# KiCad board V5_main.kicad_pcb
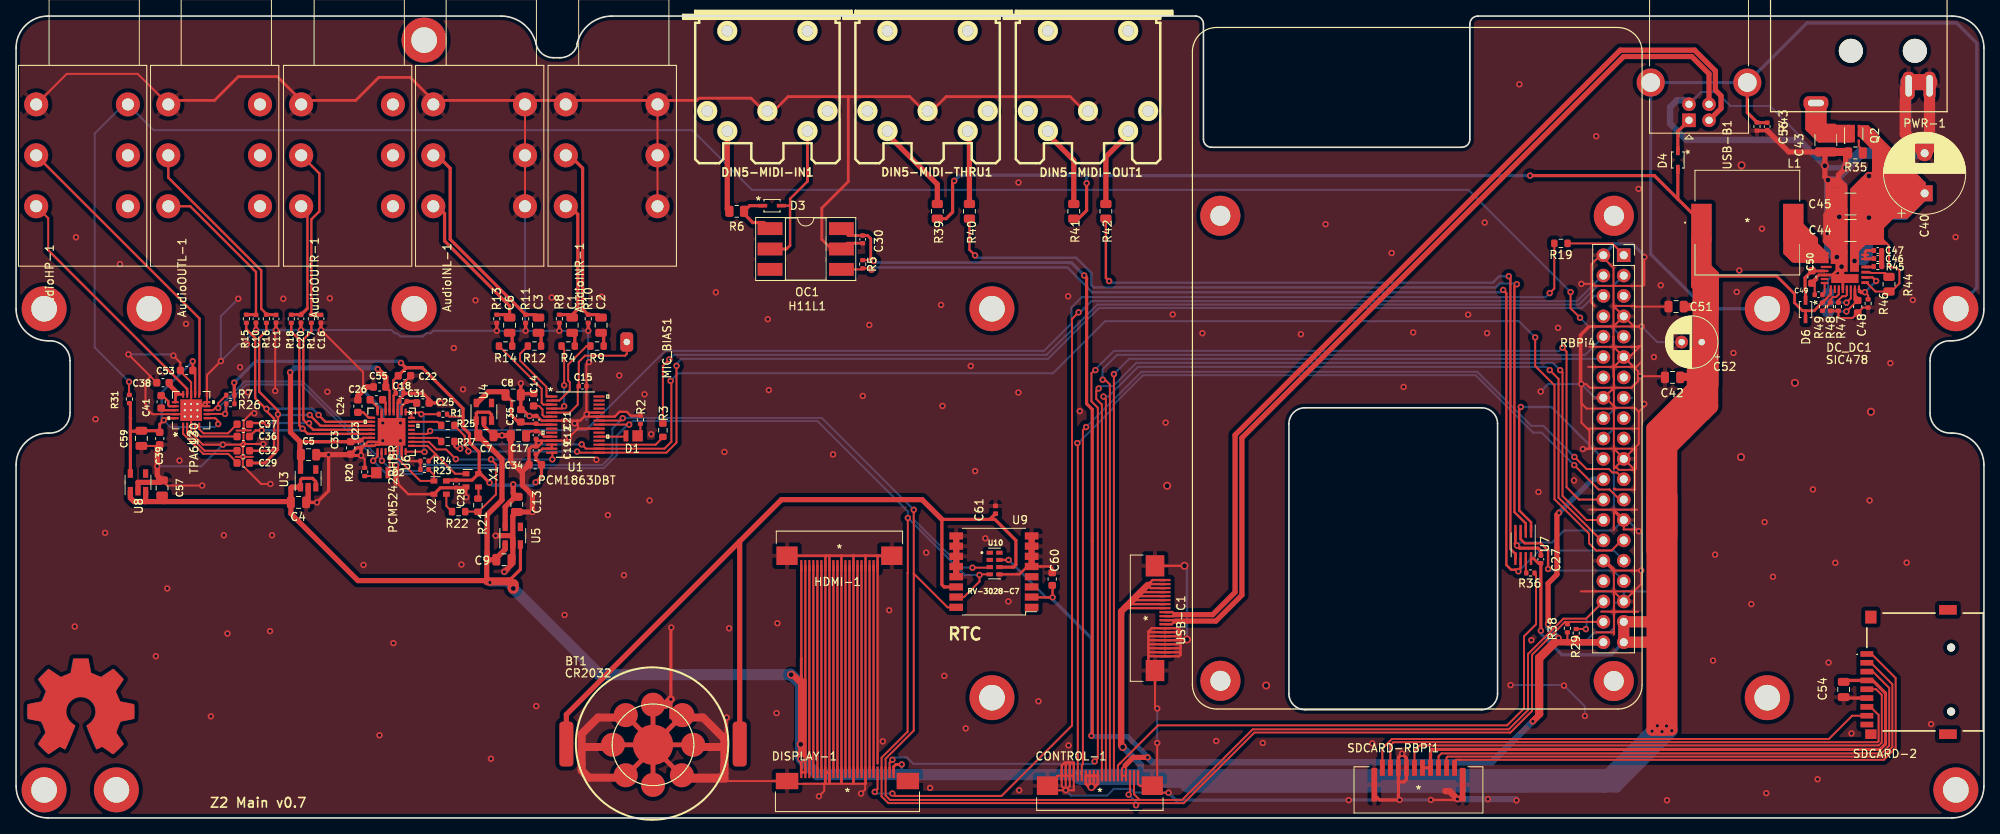
[diagram p0: board, top side]
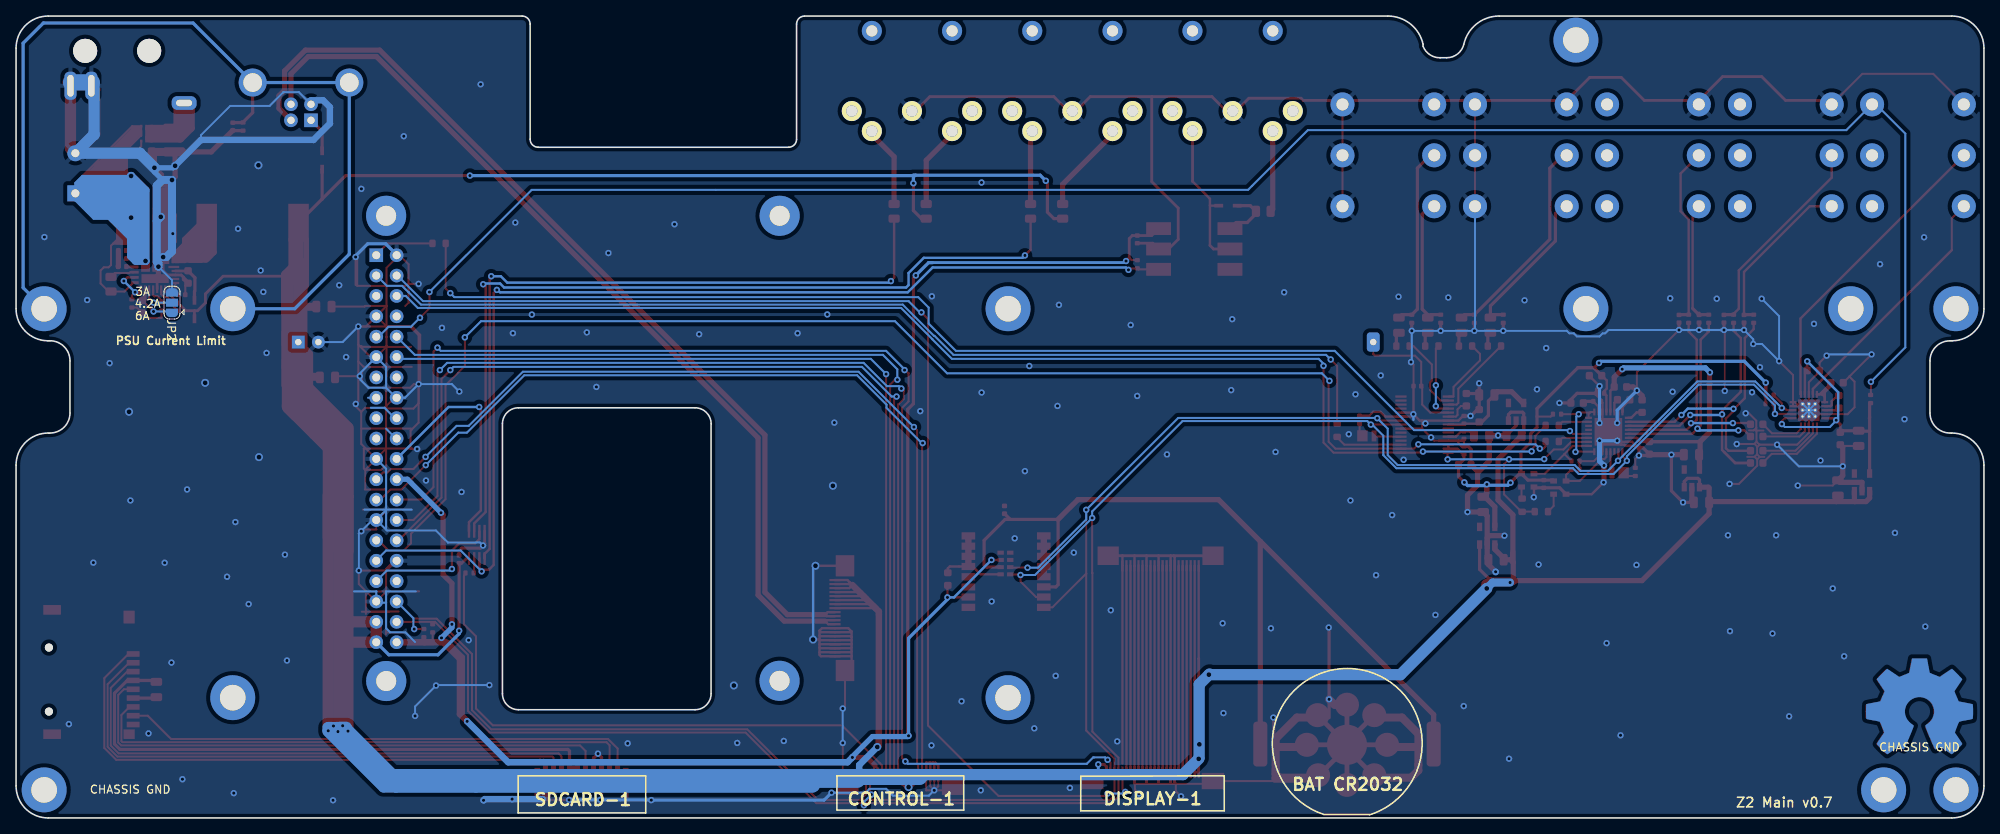
[diagram p1: board, bottom side, seen from below]

Outline 245.21 x 100 mm; copper layers: Top, Bottom. Coordinates in mm from the lower left corner of the outline.
Outline path: 0,96 arc(1.17,98.83) 4,100 60.41,100 arc(63.22,99.02) 64.8,96.51 arc(65.58,95.28) 66.95,94.8 67.74,94.8 arc(69.05,95.18) 69.89,96.23 69.89,96.5 arc(71.47,99.02) 74.27,100 146.95,100 arc(147.66,99.71) 147.95,99 147.95,84.64 arc(148.24,83.93) 148.95,83.64 180.15,83.64 arc(180.86,83.93) 181.15,84.64 181.15,99 arc(181.44,99.71) 182.15,100 241.21,100 arc(244.03,98.83) 245.21,96 245.21,63.5 arc(244.03,60.67) 241.21,59.5 240.99,59.51 arc(239.21,58.77) 238.49,57 238.49,50.5 arc(239.22,48.73) 240.99,48 241.21,48 arc(244.03,46.83) 245.21,44 245.21,4 arc(244.03,1.17) 241.21,0 4,0 arc(1.17,1.17) 0,4 0,44 arc(1.17,46.83) 4,48 4.23,48 arc(5.99,48.73) 6.73,50.5 6.73,57 arc(5.99,58.77) 4.23,59.5 4,59.5 arc(1.17,60.67) 0,63.5 0,96 ; 158.6,49.15 arc(159.19,50.56) 160.6,51.15 182.6,51.15 arc(184.01,50.56) 184.6,49.15 184.6,15.5 arc(184.01,14.09) 182.6,13.5 160.6,13.5 arc(159.19,14.09) 158.6,15.5 158.6,49.15
Stack: Top 0.035mm / dielectric 1.91mm FR4 er 4.5 / Bottom 0.035mm

## Placement (name value [footprint] x y rotation side)
AudioHP-1  AudioJack3_Switch  [Jack_6.35mm_Neutrik_NRJ6HM-1_Horizontal]  2.51 76.28 90 top
AudioINL-1  AudioJack3_Switch  [Jack_6.35mm_Neutrik_NRJ6HM-1_Horizontal]  51.99 76.28 90 top
AudioINR-1  AudioJack3_Switch  [Jack_6.35mm_Neutrik_NRJ6HM-1_Horizontal]  68.5 76.28 90 top
AudioOUTL-1  AudioJack3_Switch  [Jack_6.35mm_Neutrik_NRJ6HM-1_Horizontal]  18.97 76.28 90 top
AudioOUTR-1  AudioJack3_Switch  [Jack_6.35mm_Neutrik_NRJ6HM-1_Horizontal]  35.53 76.28 90 top
BT1  Battery_Cell  [AdamTech_BH-67B-5]  79.37 9.22 0 top
C1  10uf16v  [C_0805_2012Metric]  69.3 61.45 90 top
C2  10uf16v  [C_0805_2012Metric]  72.89 61.45 90 top
C3  10uf16v  [C_0805_2012Metric]  65.1 61.45 90 top
C4  10uf16v  [C_0805_2012Metric]  35.2 39.35 0 top
C5  10uf16v  [C_0805_2012Metric]  36.45 45.3 0 top
C6  10uf16v  [C_0805_2012Metric]  61.49 61.45 90 top
C7  10uf16v  [C_0805_2012Metric]  58.55 47.7 0 top
C8  10uf16v  [C_0805_2012Metric]  61.95 52.75 0 top
C9  10uf16v  [C_0805_2012Metric]  60.8 32.2 0 top
C10  2,2nf50v  [C_0402_1005Metric]  29.89 62.25 270 top
C11  2,2nf50v  [C_0402_1005Metric]  32.39 62.25 270 top
C12  100nf25v  [C_0402_1005Metric]  64.8 47.75 270 top
C13  10uf16v  [C_0805_2012Metric]  62.39 39.1 270 top
C14  1uf16v  [C_0603_1608Metric]  64.49 52.15 270 top
C15  100nf25v  [C_0402_1005Metric]  70.6 53.85 180 top
C16  2,2nf50v  [C_0402_1005Metric]  38 62.25 270 top
C17  10uf16v  [C_0805_2012Metric]  62.6 47.65 180 top
C18  100nf25v  [C_0402_1005Metric]  47.8 52.95 180 top
C19  100nf25v  [C_0402_1005Metric]  64.8 45.85 90 top
C20  2,2nf50v  [C_0402_1005Metric]  35.5 62.25 270 top
C21  100nf25v  [C_0402_1005Metric]  64.8 49.65 90 top
C22  1uf16v  [C_0603_1608Metric]  48.39 55.15 180 top
C23  100nf25v  [C_0402_1005Metric]  43 46.65 270 top
C24  1uf16v  [C_0603_1608Metric]  42.59 51.35 270 top
C25  1uf16v  [C_0603_1608Metric]  50.7 51.75 180 top
C26  1uf16v  [C_0603_1608Metric]  44.89 52.15 0 top
C27  100nf25v  [C_0402_1005Metric]  190 32.25 90 top
C28  100nf25v  [C_0402_1005Metric]  54.84 41.65 270 top
C29  470nF 16v  [C_0603_1608Metric]  28.31 44.27 180 top
C30  100nf25v  [C_0402_1005Metric]  105.49 72.15 270 top
C31  100nf25v  [C_0402_1005Metric]  48.2 51.95 0 top
C32  470nF 16v  [C_0603_1608Metric]  28.31 45.79 180 top
C33  1uf16v  [C_0603_1608Metric]  41.7 46.15 90 top
C34  1uf16v  [C_0603_1608Metric]  64.7 44.05 180 top
C35  1uf16v  [C_0603_1608Metric]  62.89 50.15 90 top
C36  470nF 16v  [C_0603_1608Metric]  28.31 47.57 180 top
C37  470nF 16v  [C_0603_1608Metric]  28.31 49.09 180 top
C38  1uf 16v  [C_0603_1608Metric]  18.31 54.28 0 top
C39  1uf 16v  [C_0603_1608Metric]  17.9 47.32 90 top
C40  120uf63v  [CP_Radial_D10.0mm_P5.00mm]  237.81 77.89 90 top
C41  1uf 16v  [C_0603_1608Metric]  18.08 51.89 90 top
C42  560uf10v  [CP_Radial_D6.3mm_P2.50mm_Higher]  210.04 59.34 180 top
C43  10uf 75v  [C_1210_3225Metric]  225.5 84.53 270 top
C44  10uf 75v  [C_1210_3225Metric]  228.57 73.26 180 top
C45  10uf 75v  [C_1210_3225Metric]  228.57 76.56 180 top
C46  47nf16v  [C_0402_1005Metric]  231.97 69.76 0 top
C47  47nf16v  [C_0402_1005Metric]  231.97 70.76 0 top
C48  1uf16v  [C_0603_1608Metric]  229.47 63.76 90 top
C49  47nf16v  [C_0402_1005Metric]  224.6 65.25 0 top
C50  1uf16v  [C_0603_1608Metric]  223.77 67.46 270 top
C51  10uf16v  [C_0805_2012Metric]  206.85 63.77 180 top
C52  10uf16v  [C_0805_2012Metric]  206.41 54.94 180 top
C53  1uf 16v  [C_0603_1608Metric]  21.25 55.8 0 top
C54  10uf16v  [C_0805_2012Metric]  227.73 16.02 270 top
C55  1uf16v  [C_0603_1608Metric]  45.3 53.75 180 top
C56  100nf25v  [C_0402_1005Metric]  218.19 86.22 90 top
C57  10uf16v  [C_0805_2012Metric]  18.2 41.15 90 top
C59  10uf16v  [C_0805_2012Metric]  15.61 47.34 270 top
C60  1uf16v  [C_0603_1608Metric]  129.11 29.79 270 top
C61  100nf25v  [C_0402_1005Metric]  122.04 38.43 270 top
CONTROL-1  Conn_01x22  [SFV20R-4STE1LF_thinpads]  135.05 3.17 180 top
D1  LED  [led_0806]  76.8 47.65 0 top
D2  LED  [led_0806]  45.55 43.05 180 top
D3  -  [CUS10S30]  94.2 76.35 0 top
D4  -  [CUS10S30]  207.06 82.05 270 top
D6  -  [CUS10S30]  222.98 63.4 270 top
DC_DC1  SIC478  [sic479_smallpads]  227.87 68.46 180 top
DIN5-MIDI-IN1  DIN-5_180degree  [MIDI_DIN5]  93.62 91.15 180 top
DIN5-MIDI-OUT1  DIN-5_180degree  [MIDI_DIN5]  133.57 91.15 180 top
DIN5-MIDI-THRU1  DIN-5_180degree  [MIDI_DIN5]  113.58 91.15 180 top
DISPLAY-1  Conn_display  [SFV24R-4STE1HLF_smallpads]  103.6 3.17 0 top
G***  LOGO  [Zynthian Logo Mask]  27.43 5.36 0 top
G***#2  LOGO  [Zynthian Logo Mask]  27.35 5.25 180 bottom
HDMI-1  con_hdmi  [SFV20R-4STE1LF_thinpads]  102.6 33.55 0 top
JP2  Jumper_NC_Dual  [SolderJumper-3_P1.3mm_Open_RoundedPad1.0x1.5mm]  225.77 64.26 90 bottom
L1  10uh  [PA4343.103NLT]  215.73 74.24 0 top
MIC_BIAS1  Conn_01x01  [CON1]  76.1 59.35 90 top
OC1  H11L1  [DIP-6_W8.89mm_SMDSocket_LongPads]  98.39 70.95 0 top
PWR-1  Barrel_Jack_Switch_Pin3Ring  [LRJ_Series_Power_Connector]  218.61 104.07 0 top
Q2  Q_PMOS_GSD  [Vishay_PowerPAK_SC70-6L_Single]  228.96 85.34 90 top
R1  10k  [R_0402_1005Metric]  53.2 50.35 0 top
R2  10k  [R_0402_1005Metric]  77.8 49.65 270 top
R3  100R  [R_0603_1608Metric]  80.6 48.35 90 top
R4  100R  [R_0603_1608Metric]  68.8 58.85 0 top
R5  470R  [R_0402_1005Metric]  105.49 69.05 270 top
R6  220  [R_0805_2012Metric]  89.8 75.65 180 top
R7  10k  [R_0402_1005Metric]  26.7 52.72 180 top
R8  100K  [R_0402_1005Metric]  67.7 62.25 90 top
R9  100R  [R_0603_1608Metric]  72.39 58.85 0 top
R10  100K  [R_0402_1005Metric]  71.3 62.25 90 top
R11  100K  [R_0402_1005Metric]  63.49 62.25 90 top
R12  100R  [R_0603_1608Metric]  64.6 58.85 0 top
R13  100K  [R_0402_1005Metric]  59.89 62.25 90 top
R14  100R  [R_0603_1608Metric]  60.99 58.85 0 top
R15  470R  [R_0402_1005Metric]  28.7 62.25 90 top
R16  470R  [R_0402_1005Metric]  31.2 62.25 90 top
R17  470R  [R_0402_1005Metric]  36.8 62.25 90 top
R18  470R  [R_0402_1005Metric]  34.3 62.25 90 top
R19  100R  [R_0603_1608Metric]  192.5 71.65 180 top
R20  10k  [R_0402_1005Metric]  43.45 43.15 270 top
R21  100R  [R_0603_1608Metric]  57.55 39 270 top
R22  100R  [R_0603_1608Metric]  55.14 38.2 0 top
R23  10k  [R_0402_1005Metric]  50.89 43.45 180 top
R24  10k  [R_0402_1005Metric]  50.89 44.5 180 top
R25  100R  [R_0603_1608Metric]  53.8 48.95 180 top
R26  10k  [R_0402_1005Metric]  26.7 51.65 180 top
R27  100R  [R_0603_1608Metric]  53.8 46.95 180 top
R29  10k  [R_0402_1005Metric]  194.4 23.05 90 top
R31  100K  [R_0402_1005Metric]  14.12 52.24 90 top
R35  20M  [R_0805_2012Metric]  229.19 82.93 0 top
R36  470R  [R_0402_1005Metric]  188.69 30.55 0 top
R38  10k  [R_0402_1005Metric]  193.3 23.65 90 top
R39  220  [R_0805_2012Metric]  114.8 75.65 270 top
R40  220  [R_0805_2012Metric]  118.8 75.65 270 top
R41  220  [R_0805_2012Metric]  131.8 75.65 270 top
R42  220  [R_0805_2012Metric]  135.8 75.65 270 top
R43  1M  [R_0402_1005Metric]  216.93 86.22 270 top
R44  20M  [R_0805_2012Metric]  233.37 66.56 90 top
R45  3R3  [R_0402_1005Metric]  231.97 68.76 180 top
R46  500k  [R_0402_1005Metric]  230.77 64.16 270 top
R47  100K  [R_0402_1005Metric]  227.07 63.76 90 top
R48  10k  [R_0402_1005Metric]  226.07 63.76 270 top
R49  56k  [R_0402_1005Metric]  225.07 63.76 90 top
RBPi4  PinSocket_2x20_P2.54mm_Vertical  [RBPi4-socket-c]  200.32 70.18 0 top
REF**  -  [MountingHole_3.2mm_M3_DIN965_Pad]  241.71 3.5 0 top
REF**#2  -  [MountingHole_3.2mm_M3_DIN965_Pad]  241.71 63.5 0 top
REF**#3  -  [MountingHole_3.2mm_M3_DIN965_Pad]  3.5 63.5 0 top
REF**#4  -  [MountingHole_3.2mm_M3_DIN965_Pad]  3.49 3.5 0 top
REF**#5  -  [MountingHole_3.2mm_M3_DIN965_Pad]  12.5 3.5 0 top
REF**#6  -  [MountingHole_3.2mm_M3_DIN965_Pad]  16.6 63.5 0 top
REF**#7  -  [MountingHole_3.2mm_M3_DIN965_Pad]  49.6 63.5 0 top
REF**#8  -  [MountingHole_3.2mm_M3_DIN965_Pad]  121.6 63.5 0 top
REF**#9  -  [MountingHole_3.2mm_M3_DIN965_Pad]  121.61 15 0 top
REF**#10  -  [MountingHole_3.2mm_M3_DIN965_Pad]  50.84 97 0 top
REF**#11  -  [MountingHole_3.2mm_M3_DIN965_Pad]  218.21 63.5 0 top
REF**#12  -  [OSHW-Symbol_13.4x12mm_Copper]  8.07 13.89 0 top
REF**#13  -  [MountingHole_3.2mm_M3_DIN965_Pad]  218.21 15 0 top
REF**#14  -  [OSHW-Symbol_13.4x12mm_Copper]  8.05 13.89 180 bottom
SDCARD-2  SD_ebay-uSD-push_push_SMD  [TFP09212B]  237.47 18.2 180 top
SDCARD-RBPi1  Conn_01x12  [SFW10R-4STE1LF]  174.75 3.5 180 top
U1  -  [PCM1863DBT]  69.7 49.05 0 top
U2  TPA6130  [TPA6130A2RTJR]  21.81 50.85 90 top
U3  ncp163  [SOT-23-5]  36.39 42.35 90 top
U4  ncp163  [SOT-23-5]  58.3 50.65 90 top
U5  ncp163  [SOT-23-5]  61.89 35.2 90 top
U6  -  [PCM5242RHBR]  46.8 48.15 270 top
U7  74LVC3G17  [SSOP-8_2.95x2.8mm_P0.65mm]  187.8 34.05 270 top
U8  ncp163  [SOT-23-5]  15.2 41.85 90 top
U9  DS3231M  [SOP-16_7.5x10.4mm_P1.27mm]  121.85 30.72 180 top
U10  RV-3028-C7  [IC_RV-3028-C7]  121.92 31.73 0 top
USB-B1  USB_B  [USB_B_OST_USB-B1HSxx_Horizontal]  208.45 87 90 top
USB-C1  Conn_01x22  [SFV20R-4STE1LF_thinpads]  141.07 24.91 90 top
X1  22.5792Mhz  [Oscillator_SMD_Abracon_ASDMB-4Pin_2.5x2.0mm]  56.84 42.1 270 top
X2  24.576Mhz  [Oscillator_SMD_Abracon_ASDMB-4Pin_2.5x2.0mm]  52.84 41.2 270 top

## Library data of the parts
D3 D4 D6 = -: Field4: *; Field5: 0.018in/0.46mm; Field6: 0.043in/1.1mm; Field7: Copyright 2021 Accelerated Designs. All rights reserved.; Field8: *; Field9: *
SDCARD-2 = -: Manf: ebay; Manf#: _
U1 = -: Field4: *; Field5: 0.232in/5.9mm; Field6: 0.02in/0.5mm; Field7: 0.055in/1.404mm; Field8: 0.011in/0.279mm; Field9: Copyright 2016 Accelerated Designs. All rights reserved.; Field10: *; Field11: *
U6 = -: Field4: *; Field5: 0.02in/0.5mm; Field6: 0.136in/3.45mm; Field7: 0.033in/0.85mm; Field8: 0.011in/0.28mm; Field9: 0.195in/4.95mm; Field10: 0.195in/4.95mm; Field11: 0.136in/3.45mm; Field12: Copyright 2016 Accelerated Designs. All rights reserved.; Field13: *; Field14: *
U10 = -: MANUFACTURER: Micro Crystal; MAXIMUM_PACKAGE_HEIGHT: 0.8 mm; PARTREV: 1.2/03.2021; STANDARD: Manufacturer Recommendations

## Footprints (pads in the part's own frame, mm; a bottom-side part is the same pattern mirrored in y, then rotated)
AdamTech_BH-67B-5
  rrect 1.75x5.6 smd: 1(-10.8,0) 1(10.8,0)
  round 3 smd: 2(-5,-0.094) 2(-3.4,3.606) 2(-3.4,-3.894) 2(0,4.906) 2(0,-5.094) 2(3.6,-3.894) 2(3.668,3.606) 2(5,-0.094)
  rrect 2x0.6 smd: 2(-3.175,-0.094) 2(3.048,-0.094)
  rrect 0.6x2 smd rot 45: 2(-2,2.206) 2(2,-2.394)
  rrect 0.6x2 smd rot 135: 2(-1.9,-2.494) 2(2.1,2.006)
  rrect 0.6x2 smd: 2(0,2.814) 2(0,-3.155)
  round 5 smd: 2(0,-0.094)
C_0402_1005Metric
  rrect 0.56x0.62 smd: 1(-0.48,0) 2(0.48,0)
C_0603_1608Metric
  rrect 0.9x0.95 smd: 1(-0.775,0) 2(0.775,0)
C_0805_2012Metric
  rrect 1x1.45 smd: 1(-0.95,0) 2(0.95,0)
C_1210_3225Metric
  rrect 1.15x2.7 smd: 1(-1.475,0) 2(1.475,0)
CON1
  rrect 2.4x1.6 hole 0.8: 1(0,0)
CP_Radial_D6.3mm_P2.50mm_Higher
  rect 1.6x1.6 hole 0.8: 1(0,0)
  round 1.6 hole 0.8: 2(2.5,0)
CP_Radial_D10.0mm_P5.00mm
  rect 2x2 hole 1: 1(0,0)
  round 2 hole 1: 2(5,0)
CUS10S30
  rect 1.1x0.46 smd: 1(-1.15,0) 2(1.15,0)
DIP-6_W8.89mm_SMDSocket_LongPads
  rect 3.1x1.6 smd: 1(-4.445,2.54) 2(-4.445,0) 3(-4.445,-2.54) 4(4.445,-2.54) 5(4.445,0) 6(4.445,2.54)
IC_RV-3028-C7
  rect 0.8x0.5 smd: 1(-0.6,1.35) 2(-0.6,0.45) 3(-0.6,-0.45) 4(-0.6,-1.35) 5(0.6,-1.35) 6(0.6,-0.45) 7(0.6,0.45) 8(0.6,1.35)
Jack_6.35mm_Neutrik_NRJ6HM-1_Horizontal
  round 3 hole 1.5: R(6.35,0) RN(6.35,-11.43) S(12.7,0) SN(12.7,-11.43) T(0,0) TN(0,-11.43)
led_0806
  rect 1.3x1.4 smd: 1(0.65,0)
  rect 0.6x1.4 smd: 2(-0.8,0)
LRJ_Series_Power_Connector
  round 3 hole 3 unplated: (10.008,-8.407) (17.983,-8.407)
  rrect 3.1x1.7 hole 2x0.8: 1(5.652,-14.91)
  rrect 1.5x3.5 hole 0.8x2.7: 2(19.812,-12.764) 3(17.209,-12.764)
MIDI_DIN5
  round 2.499 hole 1.397 unplated: (-5.001,-6.998) (5.001,-6.998)
  round 2.499 hole 1.397: 1(7.498,2.997) 2(0,3) 3(-7.498,2.997) 4(4.996,5.499) 5(-4.996,5.499)
MountingHole_3.2mm_M3_DIN965_Pad
  round 5.6 hole 3.2: 1(0,0)
Oscillator_SMD_Abracon_ASDMB-4Pin_2.5x2.0mm
  rect 0.65x0.85 smd: 1(-0.825,-0.775) 2(0.825,-0.775) 3(0.825,0.775) 4(-0.825,0.775)
PA4343.103NLT
  rect 2.553x4.699 smd: 1(-5.721,0) 2(5.721,0)
PCM1863DBT
  rect 1.404x0.279 smd: 1(-2.95,3.5) 2(-2.95,3) 3(-2.95,2.5) 4(-2.95,2) 5(-2.95,1.5) 6(-2.95,1) 7(-2.95,0.5) 8(-2.95,0) 9(-2.95,-0.5) 10(-2.95,-1) 11(-2.95,-1.5) 12(-2.95,-2) 13(-2.95,-2.5) 14(-2.95,-3) 15(-2.95,-3.5) 16(2.95,-3.5) 17(2.95,-3) 18(2.95,-2.5) 19(2.95,-2) 20(2.95,-1.5) 21(2.95,-1) 22(2.95,-0.5) 23(2.95,0) 24(2.95,0.5) 25(2.95,1) 26(2.95,1.5) 27(2.95,2) 28(2.95,2.5) 29(2.95,3) 30(2.95,3.5)
PCM5242RHBR
  rect 0.85x0.28 smd: 1(-2.475,1.75) 2(-2.475,1.25) 3(-2.475,0.75) 4(-2.475,0.25) 5(-2.475,-0.25) 6(-2.475,-0.75) 7(-2.475,-1.25) 8(-2.475,-1.75) 17(2.475,-1.75) 18(2.475,-1.25) 19(2.475,-0.75) 20(2.475,-0.25) 21(2.475,0.25) 22(2.475,0.75) 23(2.475,1.25) 24(2.475,1.75)
  rect 0.28x0.85 smd: 9(-1.75,-2.475) 10(-1.25,-2.475) 11(-0.75,-2.475) 12(-0.25,-2.475) 13(0.25,-2.475) 14(0.75,-2.475) 15(1.25,-2.475) 16(1.75,-2.475) 25(1.75,2.475) 26(1.25,2.475) 27(0.75,2.475) 28(0.25,2.475) 29(-0.25,2.475) 30(-0.75,2.475) 31(-1.25,2.475) 32(-1.75,2.475)
  rect 3.45x3.45 smd: 33(0,0)
R_0402_1005Metric
  rrect 0.54x0.64 smd: 1(-0.51,0) 2(0.51,0)
R_0603_1608Metric
  rrect 0.8x0.95 smd: 1(-0.825,0) 2(0.825,0)
R_0805_2012Metric
  rrect 1.025x1.4 smd: 1(-0.912,0) 2(0.912,0)
RBPi4-socket-c
  oval 1.7x1.7 hole 1: 1(-2.54,-48.26) 2(0,-48.26) 3(-2.54,-45.72) 4(0,-45.72) 5(-2.54,-43.18) 6(0,-43.18) 7(-2.54,-40.64) 8(0,-40.64) 9(-2.54,-38.1) 10(0,-38.1) 11(-2.54,-35.56) 12(0,-35.56) 13(-2.54,-33.02) 14(0,-33.02) 15(-2.54,-30.48) 16(0,-30.48) 17(-2.54,-27.94) 18(0,-27.94) 19(-2.54,-25.4) 20(0,-25.4) 21(-2.54,-22.86) 22(0,-22.86) 23(-2.54,-20.32) 24(0,-20.32) 25(-2.54,-17.78) 26(0,-17.78) 27(-2.54,-15.24) 28(0,-15.24) 29(-2.54,-12.7) 30(0,-12.7) 31(-2.54,-10.16) 32(0,-10.16) 33(-2.54,-7.62) 34(0,-7.62) 35(-2.54,-5.08) 36(0,-5.08) 37(-2.54,-2.54) 38(0,-2.54) 39(-2.54,0)
  rect 1.7x1.7 hole 1: 40(0,0)
  round 5 hole 2.5: RBPi-1(-50.267,4.915) RBPi-2(-1.232,4.915) RBPi-3(-1.245,-53.099) RBPi-4(-50.254,-53.073)
SFV20R-4STE1LF_thinpads
  rect 0.28x1.397 smd: 1(4.75,-2.095) 2(4.25,-2.095) 3(3.75,-2.095) 4(3.25,-2.095) 5(2.75,-2.095) 6(2.25,-2.095) 7(1.75,-2.095) 8(1.25,-2.095) 9(0.75,-2.095) 10(0.25,-2.095) 14(-1.75,-2.095) 15(-2.25,-2.095) 16(-2.75,-2.095) 17(-3.25,-2.095) 18(-3.75,-2.095) 19(-4.25,-2.095) 20(-4.75,-2.095)
  rect 0.305x1.397 smd: 11(-0.25,-2.095) 12(-0.75,-2.095) 13(-1.25,-2.095)
  rect 2.642x2.311 smd: 21(-6.528,-0.851) 22(6.528,-0.851)
SFV24R-4STE1HLF_smallpads
  rect 0.28x1.448 smd: 1(-5.75,2.524) 2(-5.25,2.524) 3(-4.75,2.524) 4(-4.25,2.524) 5(-3.75,2.524) 6(-3.25,2.524) 7(-2.75,2.524) 8(-2.25,2.524) 9(-1.75,2.524) 10(-1.25,2.524) 11(-0.75,2.524) 12(-0.25,2.524) 13(0.25,2.524) 14(0.75,2.524) 15(1.25,2.524) 16(1.75,2.524) 17(2.25,2.524) 18(2.75,2.524) 19(3.25,2.524) 20(3.75,2.524) 21(4.25,2.524) 22(4.75,2.524) 23(5.25,2.524) 24(5.75,2.524)
  rect 2.794x2.032 smd: 25(-7.525,1.432) 26(7.525,1.432)
SFW10R-4STE1LF
  rect 0.61x2.007 smd: 1(4.5,-2.756) 2(3.5,-2.756) 3(2.5,-2.756) 4(1.5,-2.756) 5(0.5,-2.756) 6(-0.5,-2.756) 7(-1.5,-2.756) 8(-2.5,-2.756) 9(-3.5,-2.756) 10(-4.5,-2.756)
  rect 0.711x4.191 smd: 11(-5.499,-0.648) 12(5.499,-0.648)
sic479_smallpads
  rect 0.95x0.35 smd: 1(-2.525,1.7) 2(-2.525,1.05) 3(-2.525,0.4) 4(-2.525,-0.25) 12(2.525,-1.9) 13(2.525,-1.4) 14(2.525,-0.9)
  rect 0.95x0.28 smd: 5(-2.525,-1.25) 6(-2.525,-1.75) 16(2.525,0.25) 17(2.525,0.75) 18(2.525,1.25) 19(2.525,1.75)
  rect 0.35x0.95 smd: 7(-1.52,-2.525) 8(-0.87,-2.525)
  rect 0.28x0.95 smd: 9(0.26,-2.525) 10(0.76,-2.525) 11(1.26,-2.525) 20(1.75,2.525) 21(1.25,2.525) 22(0.75,2.525) 23(0.25,2.525) 24(-0.25,2.525) 25(-0.75,2.525) 26(-1.25,2.525) 27(-1.75,2.525)
  rect 0.3x1.35 smd: 12(2.2,-1.4)
  rect 1.35x0.28 smd: 15(2.325,-0.25)
  rect 3.4x1.1 smd: 28(0,1.2)
  rect 1.1x2.7 smd: 29(-1.2,-1)
  rect 1.52x2.7 smd: 30(0.41,-1)
  rect 1.52x1.73 smd: 30(1,-1.485)
SolderJumper-3_P1.3mm_Open_RoundedPad1.0x1.5mm
  custom 1.05x1.5 smd: 1(-1.3,0) 3(1.3,0)
  rect 1x1.5 smd: 2(0,0)
SOP-16_7.5x10.4mm_P1.27mm
  rect 1.7x0.9 smd: 1(-4.7,4.45) 2(-4.7,3.17) 3(-4.7,1.91) 4(-4.7,0.64) 5(-4.7,-0.64) 6(-4.7,-1.91) 7(-4.7,-3.17) 8(-4.7,-4.45) 9(4.7,-4.45) 10(4.7,-3.17) 11(4.7,-1.91) 12(4.7,-0.64) 13(4.7,0.64) 14(4.7,1.91) 15(4.7,3.17) 16(4.7,4.45)
SOT-23-5
  rect 1.06x0.65 smd: 1(-1.1,0.95) 2(-1.1,0) 3(-1.1,-0.95) 4(1.1,-0.95) 5(1.1,0.95)
SSOP-8_2.95x2.8mm_P0.65mm
  rect 1.6x0.3 smd: 1(-1.7,0.975) 2(-1.7,0.325) 3(-1.7,-0.325) 4(-1.7,-0.975) 5(1.7,-0.975) 6(1.7,-0.325) 7(1.7,0.325) 8(1.7,0.975)
TFP09212B
  round 1 hole 1 unplated: (-3.65,4.93) (-3.65,-3.05)
  rect 1.6x0.7 smd: 1(6.85,-2.25) 2(6.85,-1.15) 3(6.85,-0.05) 4(6.85,1.05) 5(6.85,2.15) 6(6.85,3.25) 7(6.85,4.35) 8(6.85,5.45) CD1(6.85,6.55)
  rect 1.4x1.2 smd: G1(6.35,7.75)
  rect 2.2x1.2 smd: MP1(-3.25,-7.75) MP2(-3.25,7.75)
  rect 1.4x1.6 smd: MP3(6.35,-6.85)
TPA6130A2RTJR
  rect 0.85x0.28 smd: 1(-1.975,1) 2(-1.975,0.5) 3(-1.975,0) 4(-1.975,-0.5) 5(-1.975,-1) 11(1.975,-1) 12(1.975,-0.5) 13(1.975,0) 14(1.975,0.5) 15(1.975,1)
  rect 0.28x0.85 smd: 6(-1,-1.975) 7(-0.5,-1.975) 8(0,-1.975) 9(0.5,-1.975) 10(1,-1.975) 16(1,1.975) 17(0.5,1.975) 18(0,1.975) 19(-0.5,1.975) 20(-1,1.975)
  rect 2.7x2.7 smd: 21(0,0)
  round 0.508 hole 0.254: V(-0.787,0.787) V(-0.787,0) V(-0.787,-0.787) V(0,0.787) V(0,0) V(0,-0.787) V(0.787,0.787) V(0.787,0) V(0.787,-0.787)
USB_B_OST_USB-B1HSxx_Horizontal
  rect 1.7x1.7 hole 0.92: 1(0,0)
  round 1.7 hole 0.92: 2(0,-2.5) 3(2,-2.5) 4(2,0)
  round 3.5 hole 2.33: 5(4.71,4.77) 5(4.71,-7.27)
Vishay_PowerPAK_SC70-6L_Single
  rect 0.6x0.8 smd: (-0.35,0.325) (0.35,0.325)
  rect 0.35x0.3 smd: 1(-0.925,-0.65) 2(0.925,-0.65)
  rect 0.87x0.235 smd: 2(0.04,-0.65)
  custom 2.2x0.95 smd: 3(0,0.325)

## Nets
3.3V: C30.1 C60.2 CONTROL-1.16 CONTROL-1.17 OC1.6 R5.1 R29.1 R38.1 RBPi4.1 RBPi4.17 U9.2 U10.7
5V: C4.1 C7.1 C9.1 C27.1 C42.1 C51.1 C52.1 C57.1 CONTROL-1.7 CONTROL-1.8 CONTROL-1.9 CONTROL-1.10 D4.2 D6.2 DC_DC1.20 DISPLAY-1.1 DISPLAY-1.2 DISPLAY-1.24 HDMI-1.19 HDMI-1.20 L1.1 R39.2 R41.2 R49.2 RBPi4.2 RBPi4.4 U3.1 U3.3 U4.1 U4.3 U5.1 U5.3 U7.8 U8.1 U8.3 USB-C1.1 USB-C1.2 USB-C1.3 USB-C1.4 USB-C1.5 USB-C1.6 USB-C1.7 USB-C1.8
AVDD: C5.1 C23.1 C33.2 C55.1 U3.5 U6.5 U6.14
AVDD2: C8.1 C21.1 C35.1 U1.8 U4.5
AVDD3: C39.2 C53.2 C59.1 R31.1 U2.6 U2.12 U2.20 U8.5
DVDD: C13.1 C18.2 C19.1 C22.2 C28.1 C34.1 R1.2 R7.1 R26.1 U1.13 U1.14 U5.5 U6.4 X1.4 X2.4
GND: AudioHP-1.S AudioINL-1.RN AudioINL-1.S AudioINL-1.SN AudioINL-1.TN AudioINR-1.RN AudioINR-1.S AudioINR-1.SN AudioINR-1.TN AudioOUTL-1.S AudioOUTR-1.S BT1.2 C4.2 C5.2 C7.2 C8.2 C9.2 C10.2 C11.2 C12.2 C13.2 C14.1 C15.1 C16.2 C17.2 C18.1 C19.2 C20.2 C21.2 C22.1 C23.2 C24.1 C25.1 C27.2 C28.2 C30.2 C31.1 C33.1 C34.2 C35.2 C38.1 C39.1 C40.2 C42.2 C43.2 C44.2 C45.2 C48.1 C49.1 C50.2 C51.2 C52.2 C53.1 C54.2 C55.2 C56.1 C57.2 C59.2 C60.1 C61.1 CONTROL-1.1 CONTROL-1.2 CONTROL-1.3 CONTROL-1.4 CONTROL-1.20 CONTROL-1.21 CONTROL-1.22 DC_DC1.9 DC_DC1.10 DC_DC1.11 DC_DC1.17 DC_DC1.23 DC_DC1.28 DC_DC1.30 DIN5-MIDI-IN1.2 DIN5-MIDI-OUT1.2 DIN5-MIDI-THRU1.2 DISPLAY-1.7 DISPLAY-1.8 DISPLAY-1.11 DISPLAY-1.14 DISPLAY-1.17 DISPLAY-1.25 DISPLAY-1.26 HDMI-1.1 HDMI-1.4 HDMI-1.7 HDMI-1.10 HDMI-1.13 HDMI-1.14 HDMI-1.21 HDMI-1.22 JP2.3 OC1.5 PWR-1.2 PWR-1.3 R2.1 R8.1 R10.1 R11.1 R13.1 R20.1 R23.2 R24.2 R35.1 R43.2 R46.2 R47.1 R48.2 RBPi4.6 RBPi4.9 RBPi4.14 RBPi4.20 RBPi4.25 RBPi4.30 RBPi4.34 RBPi4.39 SDCARD-2.6 SDCARD-RBPi1.3 SDCARD-RBPi1.4 SDCARD-RBPi1.11 SDCARD-RBPi1.12 U1.7 U1.12 U1.22 U1.25 U1.26 U2.3 U2.9 U2.10 U2.13 U2.19 U2.21 U2.V U3.2 U4.2 U5.2 U6.3 U6.7 U6.15 U6.16 U6.22 U6.23 U6.33 U7.4 U8.2 U9.5 U9.6 U9.7 U9.8 U9.9 U9.10 U9.11 U9.12 U9.13 U10.5 USB-B1.4 USB-C1.13 USB-C1.14 USB-C1.15 USB-C1.16 USB-C1.17 USB-C1.18 USB-C1.19 USB-C1.20 USB-C1.21 USB-C1.22 X1.2 X2.2
/dac/BCK: R27.1 RBPi4.12 U1.17
/dac/DIN: R19.1 RBPi4.40
/dac/DOUT: R3.2 RBPi4.38
/dac/LRCK: R25.1 RBPi4.35 U1.16
/MIDI-IN: OC1.4 R5.2 RBPi4.10 U7.6
/MIDI-OUT: RBPi4.8 U7.3
HPAMP_ENABLE: AudioHP-1.SN R31.2 RBPi4.32
hpoutl: AudioHP-1.T U2.14
hpoutr: AudioHP-1.R U2.11
inl+: AudioINL-1.T C6.2 R13.2
inl-: AudioINL-1.R C3.2 R11.2
inr+: AudioINR-1.T C1.2 R8.2
inr-: AudioINR-1.R C2.2 R10.2
int1: CONTROL-1.14 RBPi4.29
int2: CONTROL-1.13 RBPi4.31
int3: CONTROL-1.12 RBPi4.11
int4: CONTROL-1.11 RBPi4.13
int5: DISPLAY-1.23 RBPi4.15
int6: CONTROL-1.5 RBPi4.16
int7: CONTROL-1.6 RBPi4.18
LEDS: RBPi4.19 U7.1
outl+: AudioOUTL-1.T C10.1 R15.2
outl-: AudioOUTL-1.R C11.1 R16.2
OUTLN: C29.1 R16.1 U6.11
OUTLP: C32.1 R15.1 U6.10
outr+: AudioOUTR-1.T C20.1 R18.2
outr-: AudioOUTR-1.R C16.1 R17.2
OUTRN: C37.1 R17.1 U6.12
OUTRP: C36.1 R18.1 U6.13
RST_T: DISPLAY-1.20 RBPi4.37
scl: CONTROL-1.19 DISPLAY-1.22 R7.2 R29.2 RBPi4.5 U1.24 U2.8 U6.18 U9.16 U10.3
sda: CONTROL-1.18 DISPLAY-1.21 R26.2 R38.2 RBPi4.3 U1.23 U2.7 U6.17 U9.15 U10.4
Net-(BT1-Pad1): BT1.1 C61.2 U9.14 U10.6
Net-(C1-Pad1): C1.1 R4.2
Net-(C2-Pad1): C2.1 R9.2
Net-(C3-Pad1): C3.1 R12.2
Net-(C6-Pad1): C6.1 R14.2
Net-(C12-Pad1): C12.1 C17.1 U1.11